# Altium PCB 充电桩应用监管系统.PcbDoc
Units mil, origin at the board's own origin, x right, y up, seen from the top; angles counter-clockwise.
Board outline 3600 x 2760 mil, 2 copper layers (Top Layer, Bottom Layer); 35 components, 30 nets, 127 pads, 3 vias.
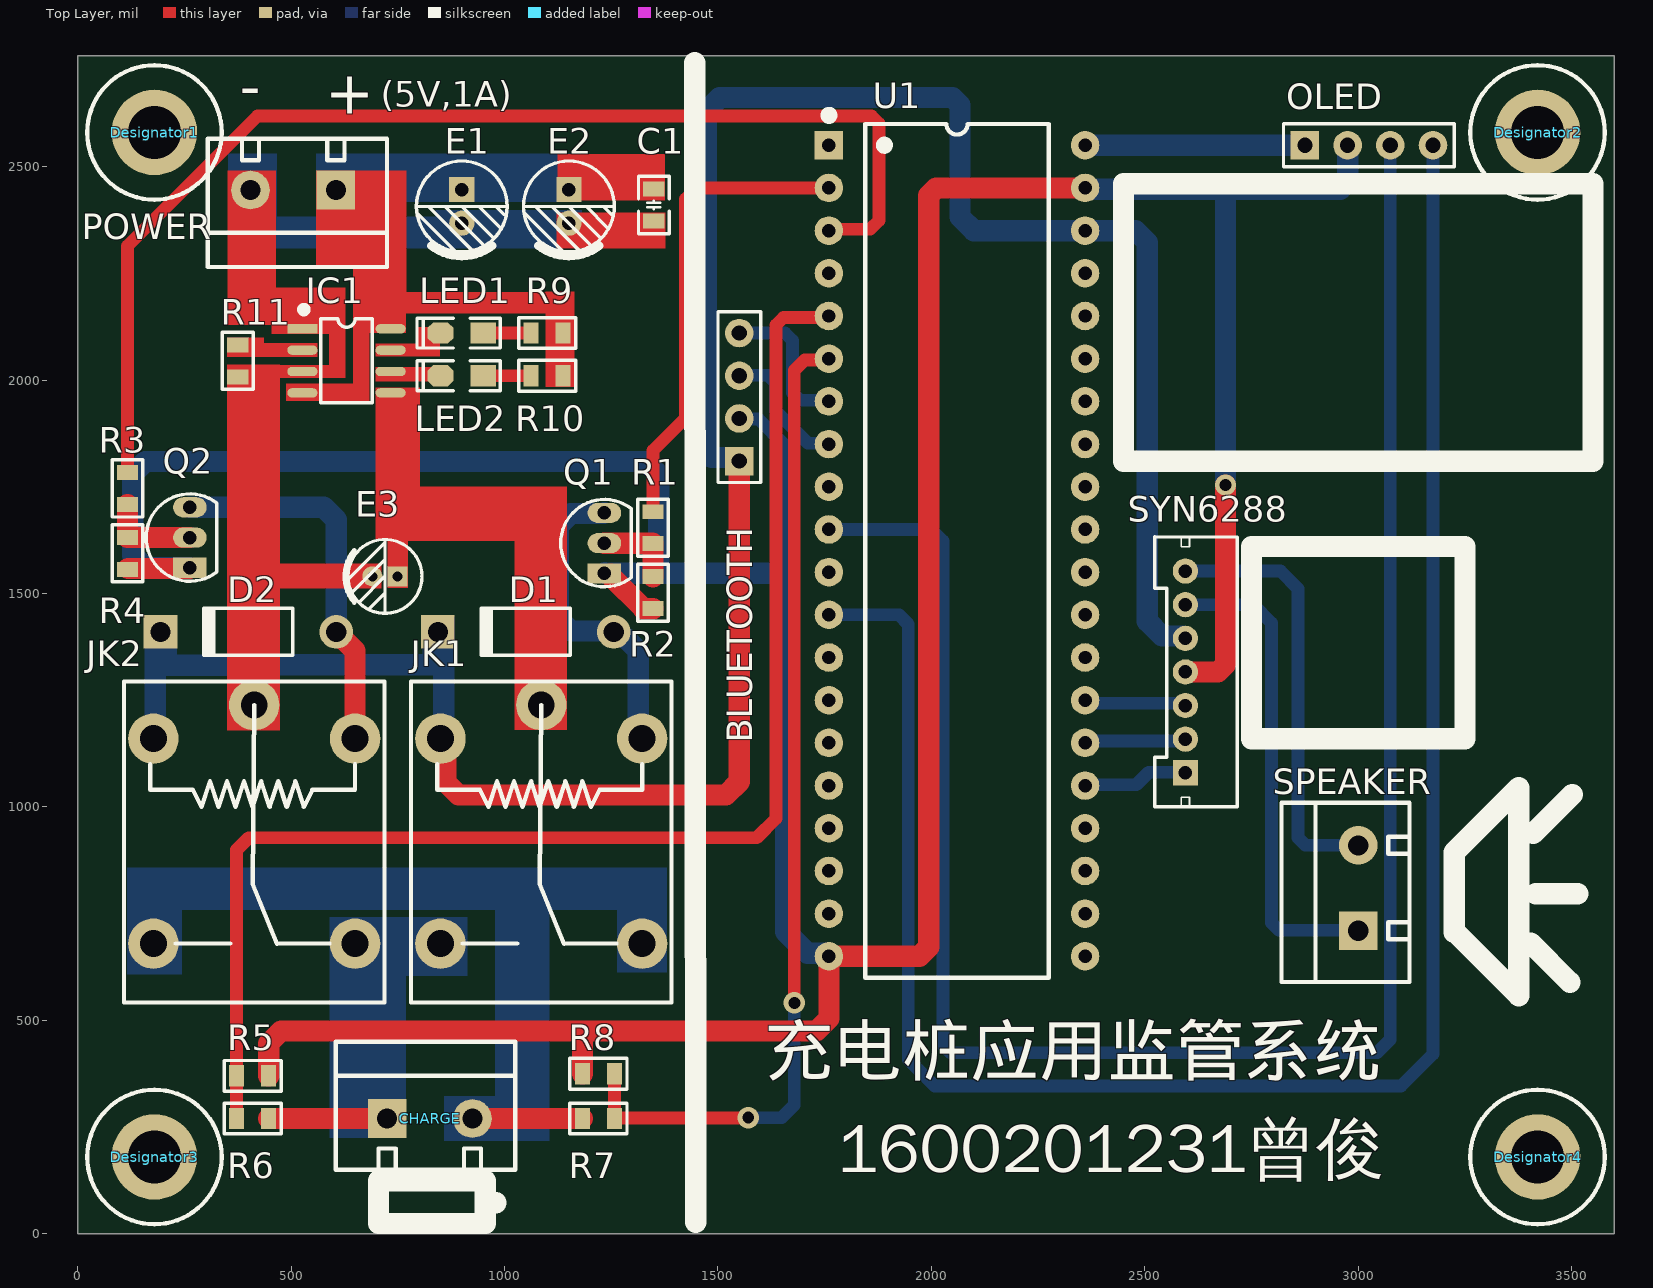
[diagram p0: Top Layer view]
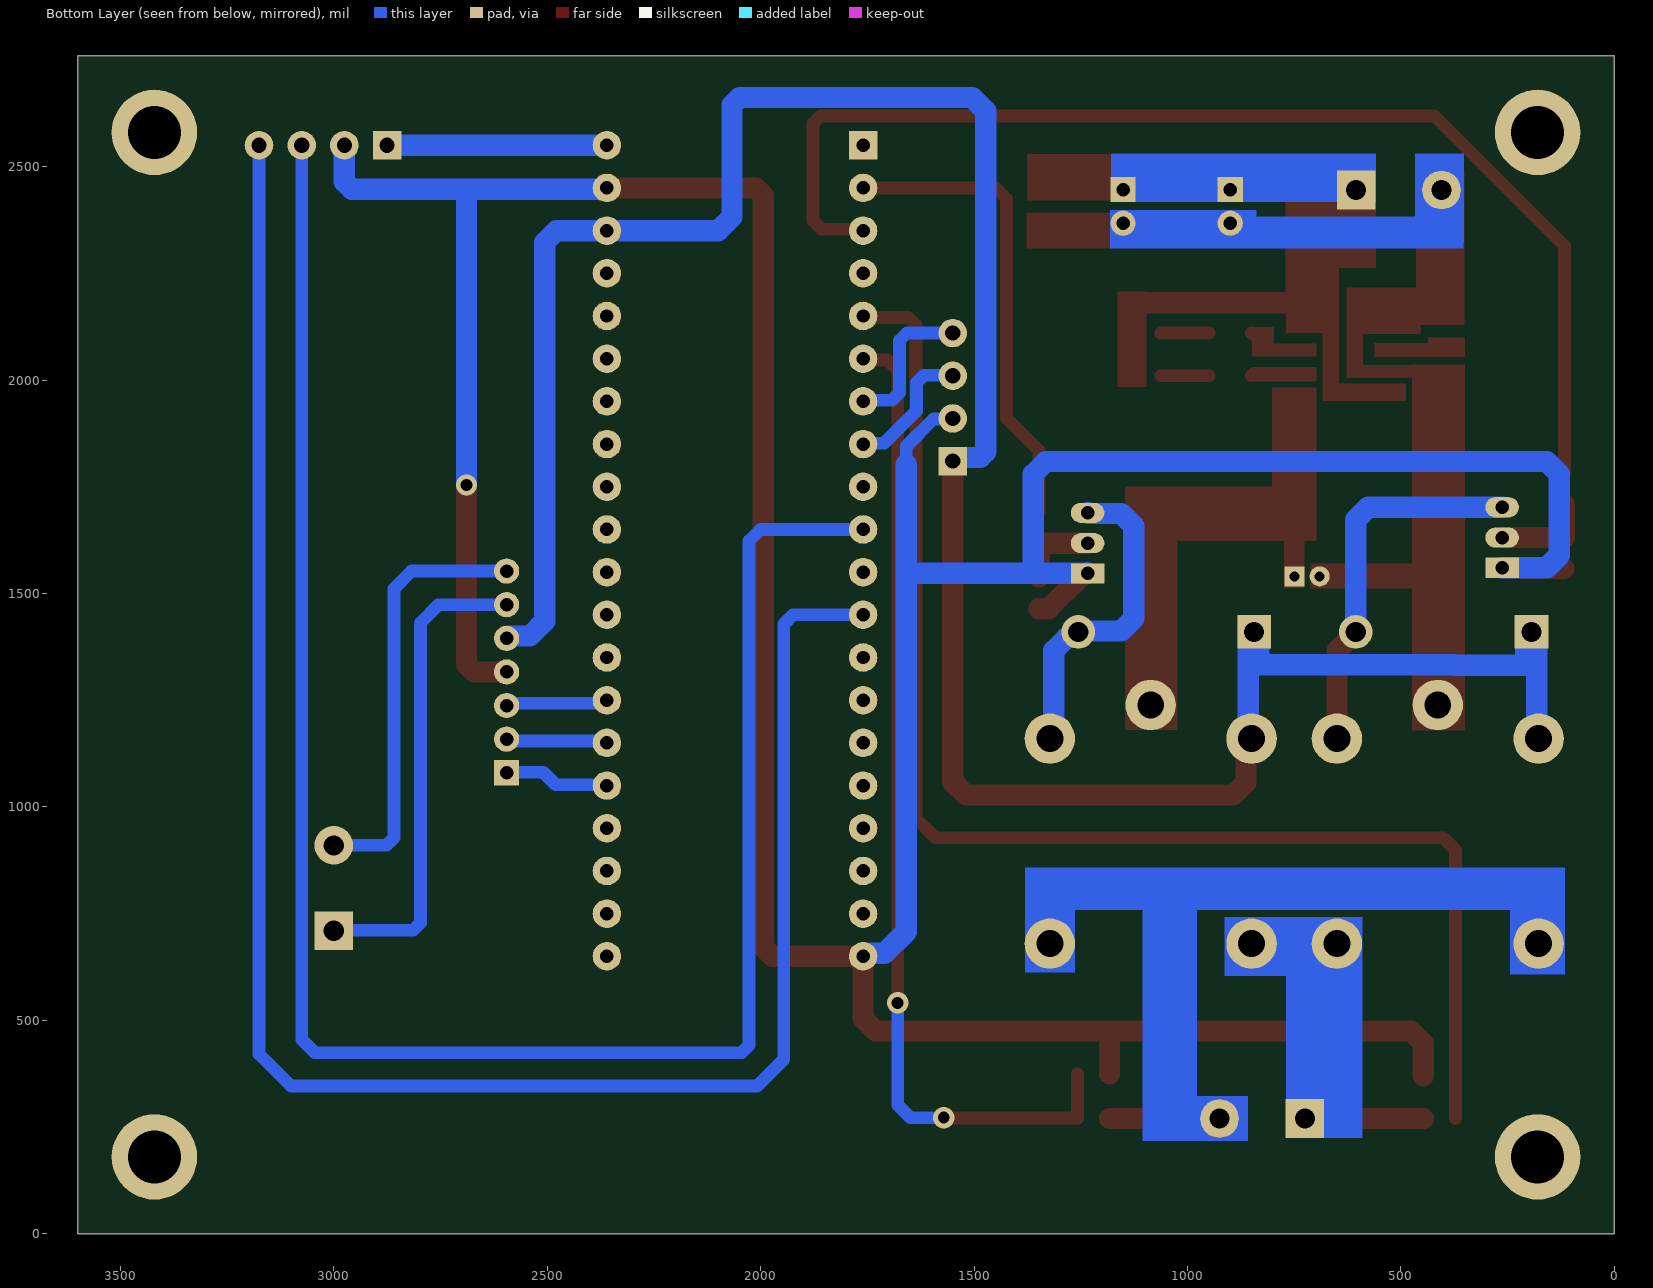
[diagram p1: Bottom Layer view, seen from below]

## Layer stack, top to bottom
Top Solder: solder mask 0.4, Solder Resist, Dk 3.5
Top Layer: signal copper 1.4
Dielectric 1: dielectric 12.6, FR-4, Dk 4.8
Bottom Layer: signal copper 1.4
Bottom Solder: solder mask 0.4, Solder Resist, Dk 3.5

## Board outline
0,0 0,2760 3600,2760 3600,0

## Design rules (kind name [scope] priority, off if disabled: settings)
Clearance [All] p1: gap=10 ignorepadtopadclearanceinfootprint=FALSE except(0: Arc-Hole Track-Hole SMDPad-Hole THPad-Hole Via-Hole Fill-Hole Poly-Hole Region-Hole Text-Hole)
PolygonConnect [All] p1: connectstyle=Relief reliefconductorwidth=10 reliefentries=4 polygonreliefangle="90 Angle" airgapwidth=10
RoutingVias [All] p1: holewidth=28 width=50 viastyle="Through Hole" minholewidth=28 minwidth=50 maxholewidth=28 maxwidth=50
SolderMaskExpansion [All] p1: expansion=4 istentingtop=FALSE
Width [All] p1: maxlimit=70 minlimit=10 preferedwidth=30
30 further rules are at their usual default settings.

## Classes and differential pairs
component class 智能充电桩: BLUETOOTH C1 CHARGE D1 D2 E1 E2 E3 IC1 JK1 JK2 LED1 LED2 OLED POWER Q1 Q2 R1 R2 R3 R4 R5 R6 R7 R8 R9 R10 R11 SPEAKER SYN6288 U1

## Components (designator, comment, footprint, x,y, rotation, side; value= is the part's Value field where it differs from the comment)
BLUETOOTH "HDR-1X4" HDR2.54-M-LI-4P 1550,1960 r90 top (schematic designator UART_BLUETOOTH)
C1 "104" "C 0805_L" 1350,2410 r270 top
CHARGE "HDR-1X2" KF301-5.0-2P 925,270 r0 top
D1 "1N4007" DO-41 1050,1410 r180 top
D2 "1N4007" DO-41 400,1410 r180 top
Designator1 "Comment" M3x4_L 180,2580 r0 top
Designator2 "Comment" M3x4_L 3420,2580 r0 top
Designator3 "Comment" M3x4_L 180,180 r0 top
Designator4 "Comment" M3x4_L 3420,180 r0 top
E1 "470uF/16V" "CAP 2.0*5*11" 900,2406.63 r270 top
E2 "10uF/16V" "CAP 2.0*5*11" 1151,2406.63 r270 top
E3 "10uF/16V" "CAP 1.5*4*8" 720,1540 r180 top
IC1 "TP4056" SOP8_N 630,2045 r0 top
JK1 "" SRD-C_B 1322.44,1160 r270 top
JK2 "" SRD-C_B 650,1160 r270 top
LED1 "红色" "LED 0805R" 900,2110 r180 top
LED2 "绿色" "LED 0805G" 900,2010 r180 top
OLED "HDR-1X4" HDR2.54-M-LI-4P 3025,2550 r0 top
POWER "HDR-1X2" KF301-5.0-2P 405,2445 r180 top
Q1 "SS8050" TO92A 1234,1618 r0 top
Q2 "SS8050" TO92A 263,1631 r0 top
R1 "1K" "R 0805_L" 1348,1654 r270 top
R2 "4.7K" "R 0805_L" 1348,1502 r90 top
R3 "1K" "R 0805_L" 117,1746 r270 top
R4 "4.7K" "R 0805_L" 117,1594 r90 top
R5 "1K" "R 0805_L" 410,370 r0 top
R6 "1K" "R 0805_L" 410,270 r180 top
R7 "1K" "R 0805_L" 1220,270 r180 top
R8 "1K" "R 0805_L" 1220,375 r0 top
R9 "1K" "R 0805_L" 1100,2110 r180 top
R10 "1K" "R 0805_L" 1100,2010 r180 top
R11 "1.2K" "R 0805_L" 375,2045 r90 top
SPEAKER "HDR-1X2" KF301-5.0-2P 3000,910 r90 top
SYN6288 "HDR-1X7" PH2.0-LI-7P 2595,1316.22 r90 top
U1 "STM32F103C8T6核心板" DIP40-600_MH 2060,1600 r0 top

## Footprints (in the part's own frame and the unit in brackets; to place one, negate y for a bottom-side part, rotate by r counter-clockwise, add the part's x,y. Pads: shape width x height; smd on the part's side, far side on the other; paste and mask are expansions set on the pad)
"C 0805_L" [mil] "无极性贴片电容"
  rect 35x50 smd: 1(-37.4,0) 2(37.4,0)
  silkscreen extent -67,-36 67,36, body extent -39,-24 39,24, height 20
"CAP 1.5*4*8" [mm] "脚距1.5mm直径4mm高度8mm"
  rect 1.2x1.2 hole 0.6: 1(-0.75,0)
  round 1.2 hole 0.6: 2(0.75,0)
  silkscreen extent -2.2,-2.2 2.41,2.2, body extent -2,-2 2.02,2, height 8.04
"CAP 2.0*5*11" [mm] "脚距2mm直径5mm高度11mm"
  rect 1.5x1.5 hole 0.8: 1(-1,0)
  round 1.5 hole 0.8: 2(1,0)
  silkscreen extent -2.7,-2.7 2.96,2.7, body extent -2.5,-2.5 2.51,2.5, height 11.04
DIP40-600_MH [mm] "带底座 52*15.2*4mm(长宽高)"
  rect 1.7x1.7 hole 0.8: 1(-7.62,24.13)
  round 1.7 hole 0.8: 2(-7.62,21.59) 3(-7.62,19.05) 4(-7.62,16.51) 5(-7.62,13.97) 6(-7.62,11.43) 7(-7.62,8.89) 8(-7.62,6.35) 9(-7.62,3.81) 10(-7.62,1.27) 11(-7.62,-1.27) 12(-7.62,-3.81) 13(-7.62,-6.35) 14(-7.62,-8.89) 15(-7.62,-11.43) 16(-7.62,-13.97) 17(-7.62,-16.51) 18(-7.62,-19.05) 19(-7.62,-21.59) 20(-7.62,-24.13) 21(7.62,-24.13) 22(7.62,-21.59) 23(7.62,-19.05) 24(7.62,-16.51) 25(7.62,-13.97) 26(7.62,-11.43) 27(7.62,-8.89) 28(7.62,-6.35) 29(7.62,-3.81) 30(7.62,-1.27) 31(7.62,1.27) 32(7.62,3.81) 33(7.62,6.35) 34(7.62,8.89) 35(7.62,11.43) 36(7.62,13.97) 37(7.62,16.51) 38(7.62,19.05) 39(7.62,21.59) 40(7.62,24.13)
  silkscreen extent -7.87,-25.4 5.46,26.16, body extent -8.9,-26.18 8.9,26.18, height 8.3
DO-41 [mm] "Diode, Axial; Body 5.2 x 2.7 mm (LxDia. max), Lead Dia. 0.86 mm (max)"
  round 2 hole 1.2: 1(-5.23,0)
  rect 2x2 hole 1.2: 2(5.23,0)
  silkscreen extent -2.65,-1.4 2.75,1.4
HDR2.54-M-LI-4P [mm] "排母，4脚"
  rect 1.7x1.7 hole 0.9: 1(-3.81,0)
  round 1.7 hole 0.9: 2(-1.27,0) 3(1.27,0) 4(3.81,0)
  silkscreen extent -5.08,-1.27 5.08,1.27, body extent -5.08,-1.27 5.08,1.27, height 8.5
KF301-5.0-2P [mm] "可拼接端子/6A"
  rect 2.3x2.3 hole 1.2: 1(-5.08,0)
  round 2.3 hole 1.2: 2(0,0)
  silkscreen extent -8.13,-3.05 2.54,4.57, body extent -7.95,-3 2.55,4.6, height 10.05
"LED 0805G" [mil] "绿色0805LED"
  rect 60x50 smd: 1(-50,0)
  oct 60x50 smd: 2(50,0)
  silkscreen extent -90,-35 105,35, body extent -39,-25 39,25, height 32
"LED 0805R" [mil] "红色0805LED"
  rect 60x50 smd: 1(-50,0)
  oct 60x50 smd: 2(50,0)
  silkscreen extent -90,-35 105,35, body extent -39,-25 39,25, height 32
M3x4_L [mil] "M3铜柱，长：4mm"
  round 200 hole 125: 1(0,0)
  silkscreen extent -157,-157 157,157, body extent -106,-93 106,93, height 159
PH2.0-LI-7P [mm] "长：15.9mm，宽：4.7mm，高：6mm"
  rect 1.5x1.5 hole 0.8: 1(-6,0)
  round 1.5 hole 0.8: 2(-4,0) 3(-2,0) 4(0,0) 5(2,0) 6(4,0) 7(6,0)
  silkscreen extent -8.03,-3.08 8.03,1.82, body extent -7.95,-3 7.95,1.7, height 6.01
"R 0805_L" [mil] "1/8W贴片电阻"
  rect 35x50 smd: 1(-37.4,0) 2(37.4,0)
  silkscreen extent -67,-36 67,36, body extent -39,-25 39,25, height 20
SOP8_N [mm] "5*6*1.8mm（长宽高）"
  rect 1.8x0.55 smd: 1(-2.625,1.905)
  oval 1.8x0.55 smd: 2(-2.625,0.635) 3(-2.625,-0.635) 4(-2.625,-1.905) 5(2.625,-1.905) 6(2.625,-0.635) 7(2.625,0.635) 8(2.625,1.905)
  silkscreen extent -2.69,-2.5 1.52,3.2, body extent -3,-2.5 3,2.5, height 1.9
SRD-C_B [mm] "单刀双投"
  round 3 hole 1.6: 1(0,0) 2(0,-12) 3(-2,-6) 4(12.2,0) 5(12.2,-12)
  silkscreen extent -3.4,-13.75 15.7,1.75, body extent -3.4,-13.75 15.7,1.75, height 15.6
TO92A [mm] "92晶体管"
  rect 2x1.2 hole 0.8: 1(0,-1.8)
  oval 2x1.2 hole 0.8: 2(0,0) 3(0,1.8)
  silkscreen extent -2.6,-2.6 1.6,2.6, body extent -2.3,-2.3 1.3,2.3, height 7.6

## Part data
BLUETOOTH OLED: library part "Header 4", "4P接插件", BOM名称=4P接插件, 版权归属=源创客, 学习资源=www.ooocke.com
C1: library part C-CC, "直插瓷片电容", BOM名称=直插瓷片电容, 版权归属=源创客, 学习资源=www.ooocke.com
CHARGE POWER SPEAKER: library part "Header 2", "2P接插件", BOM名称=2P接插件, 版权归属=源创客, 学习资源=www.ooocke.com
D1 D2: "整流二极管", BOM名称=整流二极管, 版权归属=源创客, 学习资源=www.ooocke.com
E1 E2 E3: library part C-CAP, "直插电解电容", BOM名称=直插电解电容, 版权归属=源创客, 学习资源=www.ooocke.com
IC1: "锂电池充电管理", BOM名称=锂电池充电管理, 版权归属=源创客, 学习资源=www.ooocke.com
JK1 JK2: library part SRD-05VDC-SL-C, "5V一组转换", BOM名称=5V继电器, 版权归属=源创客, 学习资源=www.ooocke.com
LED1 LED2: library part LED-3MM, "插件LED", BOM名称=插件LED, 版权归属=源创客, 学习资源=www.ooocke.com
Q1 Q2: library part 8050-DIP, "高频放大-NPN型", BOM名称=高频放大-NPN型, 版权归属=源创客, 属性="40V 1.5A 1W 100MHZ", 学习资源=www.ooocke.com
R1 R2 R3 R4 R5 R6 R7 R8 R9 R10 R11: library part R-CRR, "直插色环电阻", BOM名称=色环电阻, 版权归属=源创客, 学习资源=www.ooocke.com
SYN6288: library part "Header 7", "7P接插件", BOM名称=7P接插件, 版权归属=源创客, 学习资源=www.ooocke.com

## Via types
v1: diameter 50, hole 28, Top Layer to Bottom Layer, 3 vias

## Nets (pads, with @x,y where several pads share a name; then routed paths per layer and width w, separated by ;. In a path a pad name is that pad's centre, name@x,y a point inside that pad or via, vN(x,y) a via of type N, cw(c..) or ccw(c..) an arc to the next point about the centre after c; other vN are vias at no path point)
+: CHARGE.2 JK1.4 JK2.5 R7.2 | length 257.6
  Top Layer w50: CHARGE.2 R7.2
+3.3: OLED.1 U1.40 | length 515
  Bottom Layer w50: U1.40 OLED.1
+5: BLUETOOTH.1 D1.2 D2.2 JK1.2 JK2.2 SYN6288.5 U1.38 | length 5983.3
  Top Layer w50: JK1.2 863.03,1146.97 863.03,1057.29 892.32,1028 1519,1028 1550,1059 BLUETOOTH.1
  Bottom Layer w50: JK2.2 182,1164.44 182,1332 ; D2.2 182,1397.91 182,1332 ; D1.2 847.05,1407.05 847.05,1365 ; D1.2@846,1377 858,1365 858,1168 JK1.2 ; 847.05,1332.8 374.82,1332.8 374.03,1332 182,1332 ; BLUETOOTH.1 1541.54,1818.46 1485.82,1818.46 1473,1831.29 1473,2631 1504,2662 2049.43,2662 2067,2644.43 2067,2382 2099,2350 U1.38 2478,2350 2506,2322 2506,1435 2540.48,1400.52 2589.44,1400.52 SYN6288.5
-: CHARGE.1 JK1.5 JK2.4 R6.1 | length 277.6
  Top Layer w50: R6.1 CHARGE.1
ADC+: R7.1 R8.2 U1.6 | length 2352.6
  Top Layer w30: R8.2 1257.4,372.6 R7.1 1258.4,271 1570,271 v1(1571,272) ; v1(1679,541) 1679,2022.19 1703.57,2046.76 1756.76,2046.76 U1.6
  Bottom Layer w30: v1(1571,272) 1649,272 1679,302 v1(1679,541)
ADC-: R5.1 R6.2 U1.5 | length 3212.2
  Top Layer w30: R6.2 R5.1 372.6,899.6 401,928 1591,928 1636,973 1636,2129.19 1653.57,2146.76 1756.76,2146.76 U1.5
BAT: E3.1 IC1.5 JK1.3
BUSY: SYN6288.1 U1.25 | length 248.3
  Bottom Layer w30: U1.25 2362,1052 2480,1052 2509,1081 2594,1081 SYN6288.1
GND: BLUETOOTH.2 OLED.2 Q1.1 Q2.1 R2.1 R4.1 R5.2 R8.1 SYN6288.4 U1.20 U1.39 | length 9895.1
  Top Layer w30: R4.1 R4.1@118.77,1558.36 ; Q2.1@261.23,1558.36 Q2.1
  Top Layer w50: R4.1@118.77,1558.36 Q2.1@261.23,1558.36 ; R5.2 447.4,445.71 476.69,475 1730.71,475 1760,504.29 U1.20 1972,650 1994,672 1994,2432.43 2011.57,2450 U1.39 ; R8.1 1182.6,475 ; Q1.1@1248.37,1545.76 1248.37,1541.63 1325.4,1464.6 R2.1 ; SYN6288.4 2671.43,1316.22 2689,1333.79 v1(2689,1754)
  Bottom Layer w30: BLUETOOTH.2@1552.28,1910 BLUETOOTH.2 1551,1909 1595,1909 1659,1845 1659,1802.14
  Bottom Layer w50: Q2.1 158.29,1560.13 129,1589.42 129,1779.71 158.29,1809 1331.71,1809 1361,1779.71 1361,1551.13 1357,1547.13 ; Q1.1 1235.38,1548.51 1236.76,1547.13 1357,1547.13 ; 1659,1802.14 1659,1547.13 ; U1.20 1752.93,657.07 1709.64,657.07 1659,707.71 1659,1547.13 ; U1.39 2363,2447 2689,2447 ; v1(2689,1754) 2689,2447 ; OLED.2 2975,2464.57 2957.43,2447 2689,2447 ; 1357,1547.13 1659,1547.13
JK1: R1.1 U1.2 | length 1110.8
  Top Layer w30: R1.1 1348,1835 1424,1911 1424,2424 1450,2450 U1.2
JK2: R3.1 U1.3 | length 2777.8
  Top Layer w30: R3.1 117,2314 421.46,2618.46 1859.43,2618.46 1877,2600.89 1877,2374 1856.24,2353.24 1763.24,2353.24 U1.3
NetD1_1: D1.1 JK1.1 Q1.3 | length 765.9
  Bottom Layer w50: Q1.3 1232.62,1687.49 1155.29,1687.49 1126,1658.2 1126,1441.29 1155.29,1412 1253.91,1412 D1.1 1263.68,1410 1278.05,1395.63 1283.71,1395.63 1313,1366.34 1313,1169.44 JK1.1
NetD2_1: D2.1 JK2.1 Q2.3 | length 886
  Top Layer w50: D2.1 650,1365.91 JK2.1
  Bottom Layer w50: Q2.3 576.71,1701.87 606,1672.58 606,1410.09 D2.1
NetIC1_2: IC1.2 R11.2 | length 156.8
  Top Layer w30: R11.2 382.5,2082.4 394.9,2070 IC1.2
NetIC1_6: IC1.6 LED2.2 | length 8.2
  Top Layer w30: LED2.2@844.17,2015.83 LED2.2
NetIC1_7: IC1.7 LED1.2 | length 15.4
  Top Layer w30: LED1.2@838.71,2100 848.71,2110 LED1.2
NetLED1_1: LED1.1 R9.2 | length 112.6
  Top Layer w30: LED1.1 R9.2
NetLED2_1: LED2.1 R10.2 | length 112.6
  Top Layer w30: LED2.1 R10.2
NetQ1_2: Q1.2 R1.2 R2.2 | length 191.8
  Top Layer w50: Q1.2 1346.6,1618 R1.2 R2.2
NetQ2_2: Q2.2 R3.2 R4.2 | length 223.4
  Top Layer w50: R3.2 R4.2 117.4,1631 Q2.2
NetSPEAKER_1: SPEAKER.2 SYN6288.7 | length 1012.9
  Bottom Layer w30: SYN6288.7 2817.56,1552.44 2859,1511 2859,927.57 2876.57,910 SPEAKER.2
NetSPEAKER_2: SPEAKER.1 SYN6288.6 | length 1132.8
  Bottom Layer w30: SYN6288.6 2754.3,1473.7 2797,1431 2797,728.57 2814.57,711 2999,711 SPEAKER.1
POWER+: C1.1 E1.1 E2.1 IC1.4 IC1.8 POWER.1 R9.1 R10.1 | length 788.9
  Top Layer w50: POWER.1 POWER.1@614.44,2435.56 ; 732.5,2158.5 732.5,2169.5 744,2181 1108.12,2181 1137.4,2151.71 R10.1 ; E2.1 1348.59,2446 C1.1
  Bottom Layer w50: POWER.1 POWER.1@605.5,2445.5 ; E1.1@899.5,2445.5 E1.1
POWER-: C1.2 E1.2 E2.2 E3.2 IC1.1 IC1.3 JK2.3 POWER.2 R11.1 | length 363.9
  Top Layer w30: R11.1 382.5,2007.6 394.91,2020 IC1.3
  Top Layer w50: E2.2 C1.2@1344.65,2367.26
  Bottom Layer w50: POWER.2 POWER.2@412.76,2437.24 ; E1.2@898.27,2365.53 E1.2
SCL: OLED.3 U1.10 | length 4622.7
  Bottom Layer w30: U1.10 2000,1650 2027,1623 2027,441.57 2044.57,424 3044,424 3075,455 OLED.3
SDA: OLED.4 U1.12 | length 4629.9
  Bottom Layer w30: U1.12 1924,1450 1946,1428 1946,408 2008,346 3100,346 3175,421 OLED.4
USART1_RX: SYN6288.3 U1.27 | length 240.2
  Bottom Layer w30: U1.27 2366.96,1243.04 2589.44,1243.04 SYN6288.3
USART1_TX: SYN6288.2 U1.26 | length 238.6
  Bottom Layer w30: U1.26 2364.37,1154.37 2590.63,1154.37 SYN6288.2
USART2_RX: BLUETOOTH.3 U1.8 | length 315.4
  Bottom Layer w30: BLUETOOTH.3 1551,2011 1617.43,2011 1635,1993.43 1635,1928 1663.51,1899.49 1711.02,1851.98 1758.02,1851.98 U1.8
USART2_TX: BLUETOOTH.4 U1.7 | length 348
  Bottom Layer w30: BLUETOOTH.4 1657.43,2110 1675,2092.43 1675,1970.06 1692.57,1952.48 1757.52,1952.48 U1.7
pads on no net: Designator1.1 Designator2.1 Designator3.1 Designator4.1 U1.1 U1.4 U1.9 U1.11 U1.13 U1.14 U1.15 U1.16 U1.17 U1.18 U1.19 U1.21 U1.22 U1.23 U1.24 U1.28 U1.29 U1.30 U1.31 U1.32 U1.33 U1.34 U1.35 U1.36 U1.37

## Other copper
Top Layer:
  rectangle net NetIC1_7: 797,2055 849,2124
  rectangle net NetIC1_6: 698,1997 844.17,2031
  rectangle net NetIC1_7: 698,2055 805,2086
  rectangle net NetIC1_2: 431,2054 562,2087
  rectangle net POWER+: 1096,1984 1164,2207
  rectangle net POWER-: 1122,2308 1377,2392
  rectangle net POWER+: 1124,2420 1376,2529
  rectangle net NetIC1_2: 350,2054 437,2100
  rectangle net POWER-: 422,1512 712,1570
  rectangle net BAT: 726,1513 774,1657
  rectangle net BAT: 698,1623 1146,1751
  rectangle net BAT: 1024,1180 1147,1653
  rectangle net BAT: 698,1646 802,1983
  rectangle net POWER-: 350,1179 474,2036
  rectangle net POWER+: 645,2200 770,2269
  rectangle net POWER+: 559,2263 770,2491
  rectangle net POWER-: 351,2129 465,2491
  rectangle net POWER+: 488,1951 684,1992
  rectangle net POWER+: 645,1955 684,2157
  rectangle net POWER+: 659,2110 769,2157
  rectangle net POWER+: 645,2110 769,2207
  rectangle net POWER-: 521,2005 627,2035
  rectangle net POWER-: 589,2006 627,2131
  rectangle net POWER-: 523,2109 627,2145
  rectangle net POWER-: 454,2108 627,2217
Bottom Layer:
  rectangle net +: 978,217 1105,847
  rectangle net +: 858,217 1105,323
  rectangle net +: 1263,612 1381,767
  rectangle net +: 116,758 1381,858
  rectangle net +: 116,608 244,858
  rectangle net +: 118,608 244,777
  rectangle net -: 594,604 913,742
  rectangle net -: 590,224 769,742
  rectangle net +5: 808,1308 883,1446
  rectangle net +5: 157,1307 233,1449
  rectangle net POWER-: 353,2308 889,2383
  rectangle net POWER-: 838,2308 1182,2398
  rectangle net POWER-: 352,2322 467,2531
  rectangle net POWER+: 558,2417 1179,2531

## Silkscreen, mask and mechanical layers (free items; w line width, h text height)
Top Overlay:
  lines w50: 955,74 956,73 980,73 ; 1446,2743 1446,2502 1448,27 ; 3225,706 3225,894 3232,901 3376,1045 3376,558 3233,701 ; 3404,681 3496,589 ; 3410,938 3501,1029 3502,1029 ; 3416,797 3514,797 ; 705,24 955,24 955,124 705,124 705,24 ; 2450,1810 3550,1810 3550,2460 2450,2460 2450,1810 ; 2750,1160 2750,1610 3250,1610 3250,1160 2750,1160
  text "-" at 380,2640.02 h100
  text "(5V,1A)" at 710,2639.99 h60
  text "+" at 580,2623.34 h100
  text "充电桩应用监管系统" at 1611.12,333.88 h200
  text "1600201231曾俊" at 1781,105.77 h200
Mechanical 1:
  the board outline again, w10